# Altium PCB ECU_FEST24_Rev1.PcbDoc (part 2 of 3)
Units mm, origin at the board's own origin, x right, y up, seen from the top; angles counter-clockwise.
Board outline 80 x 60 mm, 4 copper layers (Top Layer, Int1 (GND), Int2 (PWR), Bottom Layer), stack 1.535 mm thick; 278 components, 169 nets, 897 pads, 839 vias.
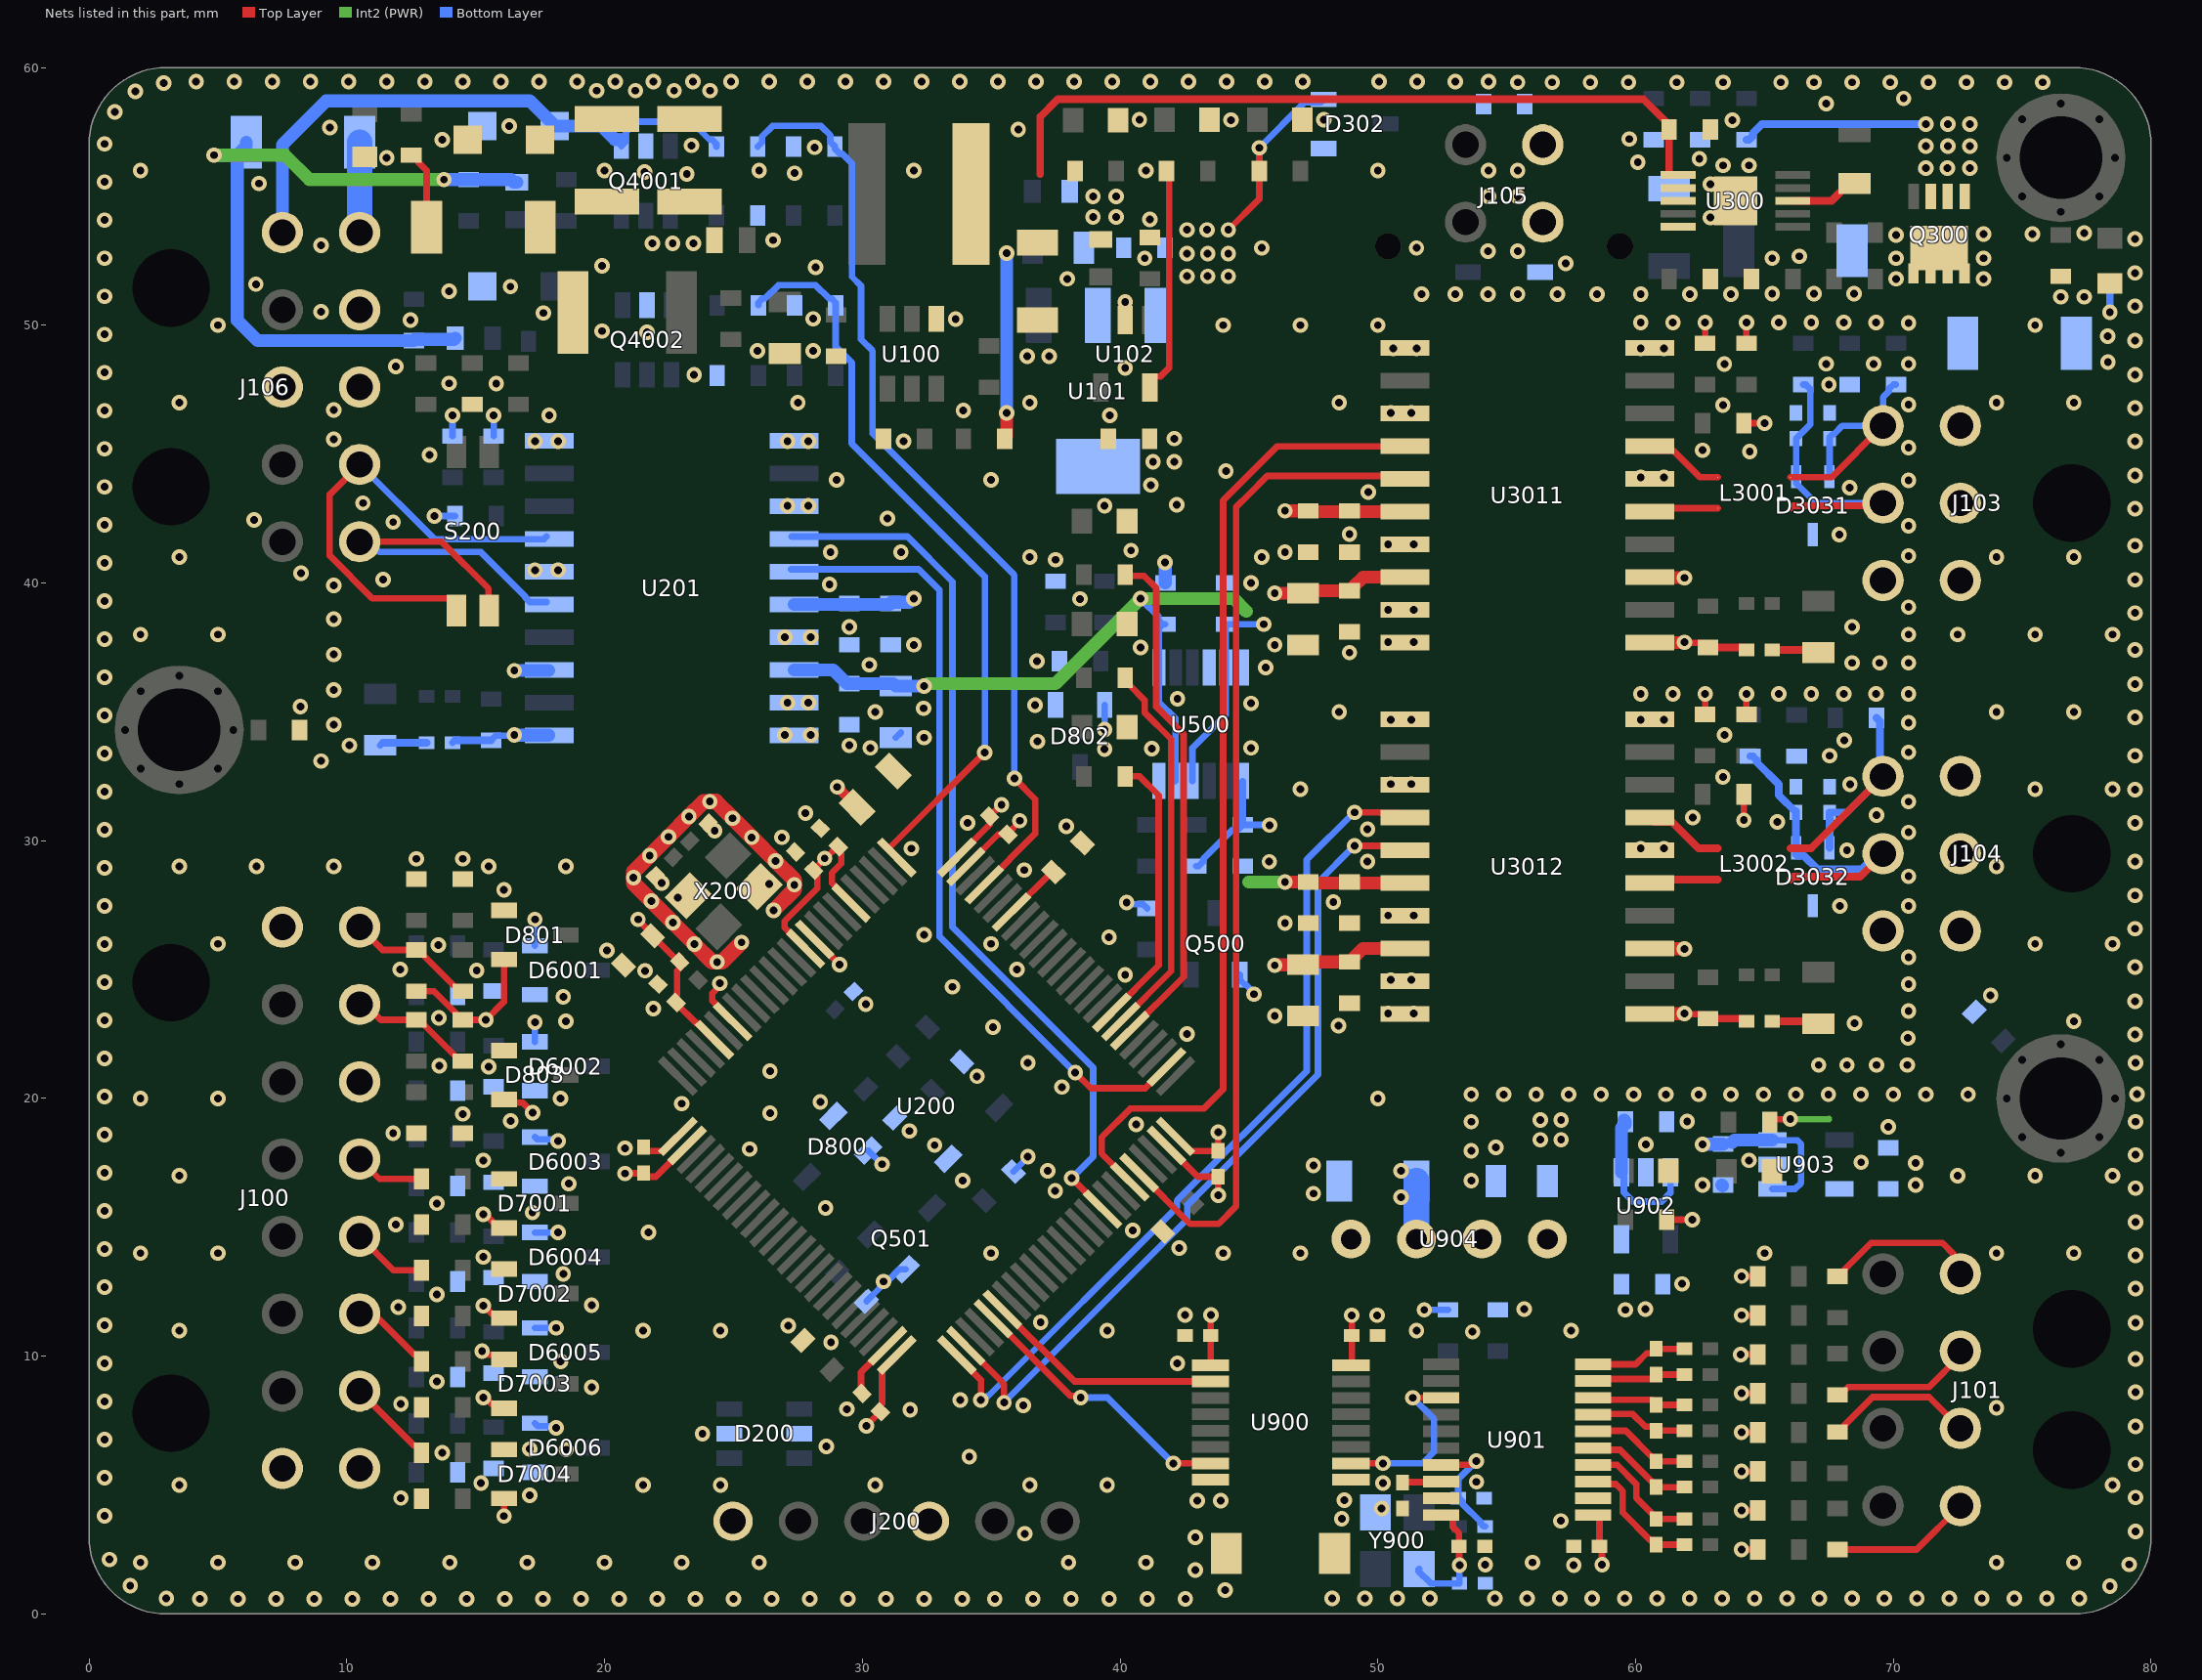
[diagram p4: the nets of this part, all layers, seen from the top]

## Part data
100 101 102 103 300 900 901 ERROR200 MCU200 MCU201: library part CMP-004-00006-2, "Single Color LED, Green, Colorless Transparent, 1.2mm", Supplier Part Number=755-SMLE13EC8TT86, Manufacturer Part Number=SMLE13EC8TT86, Supplier=Mouser
C100 C101 C103 C108 C109 C110 C111 C112 C113 C200 C201 C202 C203 C204 C205 C206 C207 C208 C209 C210 C211 C212 C213 C214 C215 C216 C217 C220 C300 C301 C302 C303 C500 C501 C502 C800 C801 C802 C803 C900 C901 C902 C903 C904 C905 C906 C907 C908 C909 C910 C911 C912 C914 C3041 C3042 C3051 C3052 C3061 C3062 C3071 C3072 C3081 C3082 C3091 C3092 C3101 C3102 C3111 C3112 C3121 C3122 C3131 C3132 C3141 C3142 C6001 C6002 C6003 C6004 C6005 C6006 C7001 C7002 C7003 C7004 C9131 C9132 C9133 C9134: library part CMP-001-00084-16, "Default capacitor part"
C102: library part CMP-001-00024-1, "Ceramic Capacitor, Multilayer, Ceramic, 50V, 10% +Tol, 10% -Tol, X5R, 15% TC, 3.3uF, Surface Mount, 0805", Manufacturer=TDK, Manufacturer Part Number=C2012X5R1H335K125AB, Supplier Part Number=810-C2012X5R1H335K, Price=0,521, Supplier=Mouser
C104 C105: library part CMP-001-00022-1, "Ceramic Capacitor, Multilayer, Ceramic, 50V, 20% +Tol, 20% -Tol, X7R, 15% TC, 10uF, Surface Mount, 1210", Manufacturer=TDK, Manufacturer Part Number=C3225X7R1H106M250AC, Supplier Part Number=810-C3225X7R1H106MAC, Price=0,772, Supplier=Mouser
C106: library part CMP-001-00025-1, "Ceramic Capacitor, Multilayer, Ceramic, 10V, 10% +Tol, 10% -Tol, X7R, 15% TC, 22uF, Surface Mount, 1206", Manufacturer=Murata, Manufacturer Part Number=GRM31CR71A226KE15L, Supplier Part Number=81-GRM31CR71A226K15L, Supplier=Mouser
C107: library part CMP-001-00023-1, "Ceramic Capacitor, Multilayer, Ceramic, 100V, 10% +Tol, 10% -Tol, X7S, 22% TC, 4.7uF, Surface Mount, 1812", Manufacturer=TDK, Manufacturer Part Number=C4532X7S2A475K230KB, Supplier Part Number=810-C4532X7S2A475KKB, Price=1,20, Supplier=Mouser
C218 C219: library part CMP-001-00014-2, "Ceramic Capacitor, Multilayer, Ceramic, 16V, 20% +Tol, 20% -Tol, X5R, 15% TC, 2.2uF, Surface Mount, 0603", Manufacturer=TDK, Manufacturer Part Number=CGA3E1X5R1C225M080AC, Supplier Part Number=810-CGA3E1X5R1C225MC, Datasheet=https://product.tdk.com/system/files/dam/doc/product/capacitor/ceramic/mlcc/catalog/mlcc_automotive_general_en.pdf, Price=0,205, Supplier=Mouser
C221 C222: library part CMP-001-00015-1, "Ceramic Capacitor, Multilayer, Ceramic, 25V, 10% +Tol, 10% -Tol, X8R, 15% TC, 0.000016uF, Surface Mount, 0402", Manufacturer=KEMET, Manufacturer Part Number=C0402C160K3HACAUTO, Supplier Part Number=399-C0402C160K3HACAUTOCT-ND, Price=0.09, Supplier=Digikey
D100 D102: library part CMP-004-00015-1, "Rectifier Diode, Schottky, 1 Phase, 1 Element, 2A, Silicon", Manufacturer Part Number=PMEG3020EP,115, Supplier Part Number=771-PMEG3020EP115, Supplier=Mouser
D101 D4001 D4002: library part CMP-004-00014-3, "Trans Voltage Suppressor Diode, 400W, 24V V(RWM), Unidirectional, 1 Element, Silicon", Manufacturer=Nexperia, Manufacturer Part Number=PTVS24VS1UR,115, Supplier Part Number=1829247, Datasheet=https://4donline.ihs.com/images/VipMasterIC/IC/NEXP/NEXP-S-A0003507774/NEXP-S-A0003507774-1.pdf?hkey=6D3A4C79FDBF58556ACFDE234799DDF0, Supplier=Farnell
D200: library part CMP-004-00032-2, "Trans Voltage Suppressor Diode, 200W, 3.3V V(RWM), Unidirectional, 4 Element, Silicon", Manufacturer=Nexperia, Supplier Part Number=771-PESD3V3S4UDT/R, Manufacturer Part Number=PESD3V3S4UD,115, Price=0,428, Supplier=Mouser
D300: library part CMP-004-00020-1, "Rectifier Diode, Schottky, 1 Phase, 1 Element, 3A, 30V V(RRM), Silicon", Manufacturer Part Number=PMEG3030EP,115, Supplier Part Number=771-PMEG3030EP115, Supplier=Mouser
D301: library part CMP-004-00018-1, "Trans Voltage Suppressor Diode, 600W, 24V V(RWM), Unidirectional, 1 Element, Silicon", Manufacturer Part Number=VS24VUA1LAMTFTR, Supplier Part Number=2989546, Supplier=Farnell
D302 D800 D801 D802 D803 D6001 D6002 D6003 D6004 D6005 D6006 D7001 D7002 D7003 D7004: library part CMP-004-00033-4, "Diode Small Signal Schottky 70V 70mA 3-Pin SOT-23 T/R", Manufacturer=Nexperia, Supplier Part Number=771-BAS70-04-QR, Manufacturer Part Number=BAS70-04-QR, Price=0,242, Supplier=Mouser
D500 D501: library part CMP-004-00046-2, "Trans Voltage Suppressor Diode, 5V V(RWM), Bidirectional, 1 Element, Silicon", Manufacturer="Diodes Inc.", Supplier Part Number=621-DESD5V0U1BA-7, Datasheet=https://www.diodes.com/assets/Datasheets/DESD5V0U1BA.pdf, Manufacturer Part Number=DESD5V0U1BA-7, Price=0,233, Supplier=Mouser
D3031 D3032: library part CMP-004-00048-1, "Trans Voltage Suppressor Diode, 170W, 36V V(RWM), Bidirectional, 2 Element, Silicon", Manufacturer=STMicroelectronics, Supplier Part Number=497-17303-1-ND, Datasheet=https://www.st.com/resource/en/datasheet/esdcan06-2bwy.pdf, Manufacturer Part Number=ESDCAN05-2BWY, Price=0,36, Supplier=Digikey
F100: library part CMP-005-00023-1, "Electric Fuse, 0.5A, 35VAC, 65VDC, 50A (IR), Surface Mount", Manufacturer=Bourns, Supplier Part Number=652-SF-0603HI050F-2, Manufacturer Part Number=SF-0603HI050F-2, Price=0,605, Supplier=Mouser
F101 F4001 F4002: library part CMP-005-00007-2, "Fuse, Very Fast Act, 0.2A, 65VDC, 0603 Rohs Compliant: Yes", Supplier Part Number=3701343, Manufacturer Part Number=T0603FF0200TM, Supplier=Farnell
F300: library part CMP-005-00006-1, "Electric Fuse, 6A, 24VDC, 80A (IR), Surface Mount, 1206", Manufacturer Part Number=SF-1206HIA600M-2, Supplier Part Number=3361312, Supplier=Farnell
FB100: library part CMP-006-00000-2, "Ferrite Chip, 1 Function(s), 0.5A, 2 Pin(s)", Manufacturer="WURTH ELEKTRONIK", Supplier Part Number=1635686, Manufacturer Part Number=742792653, Price=0,183, Supplier=Farnell
FB200 FB201 FB3001 FB3002 FB3011 FB3012: library part CMP-006-00015-1, "Ferrite Chip, 1 Function(s), 0.2A, 2 Pin(s)", Manufacturer=Murata, Supplier Part Number=490-5196-1-ND, Manufacturer Part Number=BLM15HD182SN1D, Price=0.15, Supplier=Digikey
J100: library part CMP-002-00099-1, "Rectangular Power Connector, 16 Contact(s), Male, Solder Terminal, Receptacle", Manufacturer=Molex, Manufacturer Part Number=43045-1601, Supplier Part Number=538-43045-1601, Price=5,60, Supplier=Mouser
J101: library part CMP-002-00003-1, "Rectangular Power Connector, 8 Contact(s), Male, Solder Terminal, Receptacle", Manufacturer=Molex, Manufacturer Part Number=43045-0801, Supplier Part Number=538-43045-0801, Price=2,9, Supplier=Mouser
J103 J104: library part CMP-002-00002-1, "Rectangular Power Connector, 6 Contact(s), Male, Solder Terminal, Receptacle", Manufacturer=Molex, Manufacturer Part Number=43045-0601, Supplier Part Number=538-43045-0601, Price=2,37, Supplier=Mouser
J105: library part CMP-002-00010-1, "Rectangular Power Connector, 4 Contact(s), Male, Solder Terminal, Receptacle", Manufacturer=Molex, Manufacturer Part Number=43045-0413, Supplier Part Number=538-43045-0413, Price=0,763, Supplier=Mouser
J106: library part CMP-00009-2, "Rectangular Power Connector, 10 Contact(s), Male, Solder Terminal, Receptacle", Manufacturer=Molex, Supplier Part Number=538-43045-1001, Datasheet=https://www.molex.com/pdm_docs/sd/430451000_sd.pdf, Design Item ID=430451001, Manufacturer Part Number=430451001, Price="3,74 €", Supplier=Mouser
J200: library part CMP-002-00026-4, "Board Connector, 6 Contact(s), 1 Row(s), Male, Straight, 0.1 inch Pitch, Solder Terminal, Locking, Black Insulator, Receptacle", Manufacturer=Molex, Manufacturer Part Number=90136-1206, Supplier Part Number=538-90136-1206, Price=1.53, Supplier=Mouser
L100: library part CMP-006-00017-1, "General Purpose Inductor, 0.68uH, 20%, 1 Element, Composite-Core, SMD, 0603", Manufacturer=Coilcraft, Manufacturer Part Number=PFL1609-681MEW, Supplier Part Number=994-PFL1609-681MEW, Datasheet=https://www.mouser.ee/datasheet/2/597/pfl1609-270712.pdf, Price=0,651, Supplier=Mouser
L101: library part CMP-006-00022-1, "General Purpose Inductor, 4.7uH, 20%, 1 Element, Composite-Core, SMD, 2625", Manufacturer=Coilcraft, Manufacturer Part Number=XAL6060-472MEC, Supplier Part Number=994-XAL6060-472MEC, Price=3,06, Supplier=Mouser
L3001 L3002: library part CMP-006-00025-2, "Data Line Filter, 2 Function(s), 80V, 0.25A, 4 Pin(s)", Manufacturer=TDK, Supplier Part Number=810-ACT12102202PTL00, Manufacturer Part Number=ACT1210-220-2P-TL00, Price=1,51, Supplier=Mouser
PTH100 PTH101 PTH102: library part CMP-00028-00000-3, "M3 plated through hole for mounting"
Q300: library part CMP-013-00023-1, "Power Field-Effect Transistor", Manufacturer=Vishay, Supplier Part Number=78-SISS76LDN-T1-GE3, Manufacturer Part Number=SISS76LDN-T1-GE3, Price=1,02, Supplier=Mouser
Q500 Q501: library part CMP-013-00008-1, "Small Signal Field-Effect Transistor", Manufacturer Part Number=IRLML6344TRPBF, Supplier Part Number=942-IRLML6344TRPBF, Supplier=Mouser
Q4001 Q4002: library part CMP-013-00015-1, "Small Signal Field-Effect Transistor, 2.7A I(D), 30V, 2-Element, N-Channel and P-Channel, Silicon, Metal-oxide Semiconductor FET", Supplier Part Number=621-DMG6602SVTQ-7, Manufacturer Part Number=DMG6602SVTQ-7, Supplier=Mouser
R100 R101 R102 R105 R106 R107 R108 R200 R201 R202 R203 R204 R205 R206 R207 R300 R301 R302 R303 R304 R305 R500 R501 R502 R503 R504 R800 R801 R802 R803 R804 R805 R806 R807 R808 R809 R900 R901 R907 R908 R909 R3081 R3082 R3101 R3102 R3111 R3112 R4001 R4002 R4011 R4012 R4021 R4022 R4031 R4032 R4041 R4042 R4051 R4052 R6001 R6002 R6003 R6004 R6005 R6006 R6011 R6012 R6013 R6014 R6015 R6016 R7001 R7002 R7003 R7004 R9051 R9052 R9053 R9054 R9061 R9062 R9063 R9064: library part CMP-009-00038-12, "Standard resistor part"
R9021 R9022 R9023 R9024 R9031 R9032 R9033 R9034 R9041 R9042 R9043 R9044: library part CMP-009-00017-1, "Fixed Resistor, Thin Film, 0.1W, 1000ohm, 75V, 0.1% +/-Tol, 25ppm/Cel, Surface Mount, 0603", Manufacturer=Panasonic, Manufacturer Part Number=ERA-3AEB102V, Supplier Part Number=667-ERA-3AEB102V, Price=0.288, Supplier=Mouser
S200: library part CMP-011-00017-4, "Slide Dip Switch, 2 Switches, SPST, Latched, 0.025A, 24VDC, Solder Terminal, Surface Mount-straight", Manufacturer="Multicomp Pro", Supplier Part Number=1605473, Datasheet=https://www.farnell.com/datasheets/3723159.pdf, Manufacturer Part Number=MCDHN-02F-V, Price=1,26, Supplier=Farnell
U100: library part CMP-019-00028-1, "SIMPLE SWITCHER® power converter 4.5-V to 36-V, 2-A, synchronous buck with 40-µA IQ 6-SOT-23-THIN -40 to 150", Manufacturer="Texas Instruments", Supplier Part Number=595-LMR51420YDDCR, Datasheet=https://www.ti.com/general/docs/suppproductinfo.tsp?distId=26&gotoUrl=https://www.ti.com/lit/gpn/lmr51420, Manufacturer Part Number=LMR51420YDDCR, Price=1,07, Supplier=Mouser
U101: library part CMP-019-00036-1, "Fixed Positive LDO Regulator, 3.3V, 0.4V Dropout, CMOS, PDSO3", Manufacturer=Microchip, Manufacturer Part Number=579-MCP1826ST3302EDB, Supplier=Mouser, Supplier Part Number=579-MCP1826ST3302EDB
U102 U902 U903: library part CMP-019-00018-1, "Fixed Positive LDO Regulator, 3.3V, 0.25V Dropout, PDSO5", Manufacturer="Texas Instruments", Supplier Part Number=595-LP5907QMFX-3.3Q1, Manufacturer Part Number=LP5907QMFX-3.3Q1, Supplier=Mouser
U200: library part CMP-020-00001-1, "RISC Microcontroller, 32-Bit, 216MHz", Manufacturer=STMICROELECTRONICS, Supplier Part Number=511-STM32F767VIT6, Manufacturer Part Number=STM32F767VIT6, Supplier=Mouser
U201 U3011 U3012: library part CMP-015-00008-3, "Interface Circuit, 1-Trnsvr, PDSO20", Manufacturer="Analog Devices", Supplier Part Number=584-ADM3053BRWZ-R7, Datasheet=https://www.mouser.ee/datasheet/2/609/ADM3053-3120613.pdf, Manufacturer Part Number=ADM3053BRWZ, Price=13,48, Supplier=Mouser
U300: library part CMP-019-00014-3, "Buffer/Inverter Based MOSFET Driver, CMOS, PDSO10", Supplier Part Number=584-LTC7004EMSEPBF, Manufacturer Part Number=LTC7004EMSE#PBF, Supplier=Mouser
U500: library part CMP-00030-00005-1, "IC DAC 10-BIT VOUT 12MSOP", Manufacturer=Mouser, Supplier Part Number=584-C2644HMS-L10PBF, Datasheet=https://www.mouser.ee/datasheet/2/609/LTC2644-3124593.pdf, Manufacturer Part Number=LTC2644HMS-L10#PBF, Price=8,50, Supplier=Mouser
U900: library part CMP-015-00010-2, "Interface Circuit, CMOS, PDSO16", Manufacturer="Texas Instruments", Supplier Part Number=595-ISO7762QDBQRQ1, Datasheet=https://www.ti.com/general/docs/suppproductinfo.tsp?distId=26&gotoUrl=https://www.ti.com/lit/gpn/iso7762-q1, Manufacturer Part Number=ISO7762QDBQRQ1, Price=3,87, Supplier=Mouser
U901: library part CMP-00029-4, "Automotive 16-bit, 32-kSPS, four-channel, simultaneous-sampling, delta-sigma ADC 20-TSSOP -40 to 125", Manufacurer="Texas Instruments", Supplier Part Number=296-ADS130B04QPWRQ1CT-ND, Datasheet=https://www.ti.com/lit/ds/symlink/ads130b04-q1.pdf, Manufacturer Part Number=ADS130B04QPWRQ1, Price=6.28, Supplier=Digikey
U904: library part CMP-019-00004-3, "DC-DC Unregulated Power Supply Module, 1 Output, 1W, Hybrid", Manufacturer="Recom Power", Supplier Part Number=945-1225-ND, Manufacturer Part Number=RO-2405S, Price=6.99, Supplier=Digikey
X200: library part CMP-003-00030-3, "Crystal 25MHz ±20ppm (Tol) ±30ppm (Stability) 18pF FUND 60Ohm 4-Pin Ultra Mini-CSMD T/R", Manufacturer=ABRACON, Manufacturer Part Number=ABM8G-25.000MHZ-18-D2Y-T, Supplier Part Number=2101339, Supplier=Farnell
Y900: library part CMP-003-00000-1, "CMOS Output Clock Oscillator, 8.192MHz Nom", Manufacturer=Microchip, Manufacturer Part Number=DSC1001DI5-008.1920T, Supplier Part Number=998-1001DI5008.1920T, Datasheet=https://www.mouser.ee/datasheet/2/268/MCHP_S_A0003587227_1-2520798.pdf, Supplier=Mouser

## Via types
v1: diameter 0.6, hole 0.3, Top Layer to Bottom Layer, tented both sides, 839 vias

## Nets (pads, with @x,y where several pads share a name; then routed paths per layer and width w, separated by ;. In a path a pad name is that pad's centre, name@x,y a point inside that pad or via, vN(x,y) a via of type N, cw(c..) or ccw(c..) an arc to the next point about the centre after c; other vN are vias at no path point)
24V_CTRL_Power: D300.1 D301.1 Q300.3
  other v1: 70.1,51.8 73.5,51.8 70.1,52.6 73.5,52.6 70.1,53.5 73.5,53.532
+3V3: C109.1 C200.1 C201.1 C211.2 C212.2 C213.2 C214.2 C215.2 C216.2 C217.2 C900.1 C3041.1 C3042.1 C3051.1 C3052.1 D302.2 D800.2 D801.2 D802.2 D803.2 J200.1 Q500.1 Q501.1 R107.2 R501.2 R504.2 R800.2 R805.2 U101.3 U200.6 U200.11 U200.27 U200.50 U200.75 U200.100 U201.6 U900.1 U3011.6 U3012.6 | length 58.1
  Top Layer w0.254: R800.2@12.7,24.163 13.386,24.163 14.227,23.322 14.227,23.222 14.4,23.049 R805.2@14.5,23.049 v1(15.4,23.049) 16.1,23.749 D801.2@16.1,25.394 ; D803.2@16.1,19.96 16.216,19.844 16.815,19.844 v1(17.21,19.449) ; v1(20.799,17.091) 20.809,17.101 21.501,17.101 C212.2@21.51,17.11 21.51,17.091 21.633,16.968 21.989,16.968 U200.27@23.202,18.18 ; U200.11@27.798,25.816 26.985,26.63 26.985,26.877 28.257,28.15 28.257,28.754 28.222,28.789 28.184,28.789 C211.2@28.116,28.857 28.116,28.875 28.54,29.299 v1(28.54,29.317) 28.576,29.317 29.035,29.776 C217.2@29.071,29.776 29.071,29.602 29.18,29.493 29.18,29.109 28.823,28.752 28.823,28.359 29.566,27.617 U200.6@29.566,27.584 ; C216.2@29.793,31.293 C216.2@29.793,31.323 ; v1(30.166,7.3) 30.166,7.307 30.697,7.838 C213.2@30.697,7.846 30.662,7.882 30.662,8.056 30.768,8.162 30.768,9.45 31.333,10.015 U200.50@31.333,10.048 ; U200.100@33.667,29.352 34.94,30.625 34.94,30.709 34.975,30.744 34.975,30.918 C215.2@34.94,30.954 34.948,30.954 35.394,31.4 v1(35.402,31.4) ; U200.75@42.152,18.533 42.718,17.968 C214.2@43.8,17.968 43.805,17.973 43.805,18.692 v1(43.81,18.698) ; U900.1@43.505,9.655 43.519,9.67 C900.1@43.519,10.8 43.519,11.593 v1(43.527,11.6) ; v1(44.2,53.7) 45.4,54.9 R107.2@45.4,55.985 v1(45.4,56.885)
  Top Layer w0.4: v1(29.03,32.086) C216.2@29.793,31.323
  Top Layer w0.5: v1(46.4,28.4) C3042.1@47.3,28.4 47.335,28.365 U3012.6@51.05,28.365 ; v1(46.4,42.8) C3041.1@47.3,42.8 47.335,42.765 U3011.6@51.05,42.765
  Int2 (PWR) w0.5: 44.99,28.4 v1(46.4,28.4)
  Bottom Layer w0.254: R504.2@30.166,12.134 30.166,12.139 30.663,12.637 30.663,12.651 30.819,12.806 v1(30.819,12.9) ; D800.2@30.22,17.977 30.242,17.977 v1(30.771,17.449) ; v1@30.838,12.838 30.966,12.966 31.026,12.966 31.439,13.38 Q501.1@31.684,13.38 ; v1(39.4,34.31) D802.2@39.4,35.265 ; v1(40.255,27.6) 40.321,27.533 40.901,27.533 R501.2@41.057,27.378 ; Q500.1@44.65,24.8 44.65,24.6 44.823,24.427 44.878,24.427 45.2,24.105 v1(45.2,24.047) ; v1(45.4,56.885) 47.172,58.656 47.797,58.656 D302.2@47.9,58.759
  Bottom Layer w0.5: U201.6@27.35,39.165 31.065,39.165 C200.1@31.1,39.2 31.15,39.25 31.823,39.25 31.973,39.4 v1(32,39.4)
  other v1: 42.6,51.9 43.4,51.9 44.2,51.9 42.6,52.775 43.4,52.775 44.2,52.775 42.6,53.7 43.372,53.7
+3V3A: C113.1 C209.2 C210.2 D6001.2 D6002.2 D6003.2 D6004.2 D6005.2 D6006.2 D7001.2 D7002.2 D7003.2 D7004.2 J100.1 J100.14 R108.2 R206.2 U102.5 U200.21 | length 24
  Top Layer w0.254: v1(15.3,8.4) 15.375,8.4 15.622,8.153 15.927,8.153 D7003.2@16.1,7.98 ; v1(15.3,11.966) 15.309,11.966 15.622,11.653 15.927,11.653 D7002.2@16.1,11.48 ; v1(15.3,15.509) 15.371,15.509 15.9,14.98 D7001.2@16.1,14.98 ; v1(16.1,3.8) D7004.2@16.1,4.48 ; v1(21.3,26.948) 21.3,26.912 21.866,26.347 C210.2@21.866,26.311 22.954,25.223 22.954,25.096 22.813,24.954 22.813,24.011 22.742,23.94 22.742,23.766 C209.2@22.777,23.731 22.777,23.698 23.544,22.932 23.579,22.932 24.23,22.281 U200.21@24.262,22.281 ; U102.5@41.151,47.592 41.151,47.842 41.324,48.015 41.574,48.015 41.9,48.341 41.9,55.885 R108.2@41.8,55.985
  Bottom Layer w0.254: D6006.2@17.3,7.4 17.417,7.283 18.051,7.283 v1(18.117,7.217) ; D6005.2@17.3,11.1 v1(18.117,11.1) ; D6004.2@17.3,14.8 v1(18.2,14.8) ; D6003.2@17.3,18.5 17.385,18.415 18.134,18.415 v1(18.2,18.349) ; D6002.2@17.3,22.2 v1(17.3,22.959) ; D6001.2@17.3,25.926 v1(17.3,26.948)
  other v1: 41.279,44.7 42.1,44.7 42.1,45.6
+3V3A_iso: C902.2 C910.2 R901.2 R9021.1 R9022.1 R9023.1 R9024.1 R9031.1 R9032.1 R9033.1 R9034.1 U901.1 U903.5 | length 9.6
  Top Layer w0.254: U901.1@58.35,3.837 58.502,3.837 58.6,3.739 C902.2@58.6,2.628 58.692,2.536 58.692,1.917 v1(58.7,1.909) ; v1(64.077,10.071) R9023.1@64.737,10.071 ; v1(64.108,2.506) 64.114,2.5 R9031.1@64.737,2.5 ; v1(64.108,4.021) 64.114,4.014 R9021.1@64.737,4.014 ; v1(64.108,5.535) 64.114,5.529 R9022.1@64.737,5.529 ; v1(64.108,7.049) 64.114,7.043 R9032.1@64.737,7.043 ; v1(64.108,8.563) 64.114,8.557 R9033.1@64.737,8.557 ; v1(64.108,11.592) 64.114,11.586 R9024.1@64.737,11.586 ; v1(64.108,13.106) 64.114,13.1 R9034.1@64.737,13.1 ; R901.2@65.208,19.079 65.329,19.2 v1(66,19.2)